# Altium PCB 400389.PcbDoc (part 6 of 8)
Units mm, origin at the board's own origin, x right, y up, seen from the top; angles counter-clockwise.
Board outline 155 x 63.5 mm, 4 copper layers (Top Layer, Mid-Layer 1, Mid-Layer 2, Bottom Layer), stack 1.54 mm thick; 437 components, 325 nets, 2173 pads, 2226 vias.
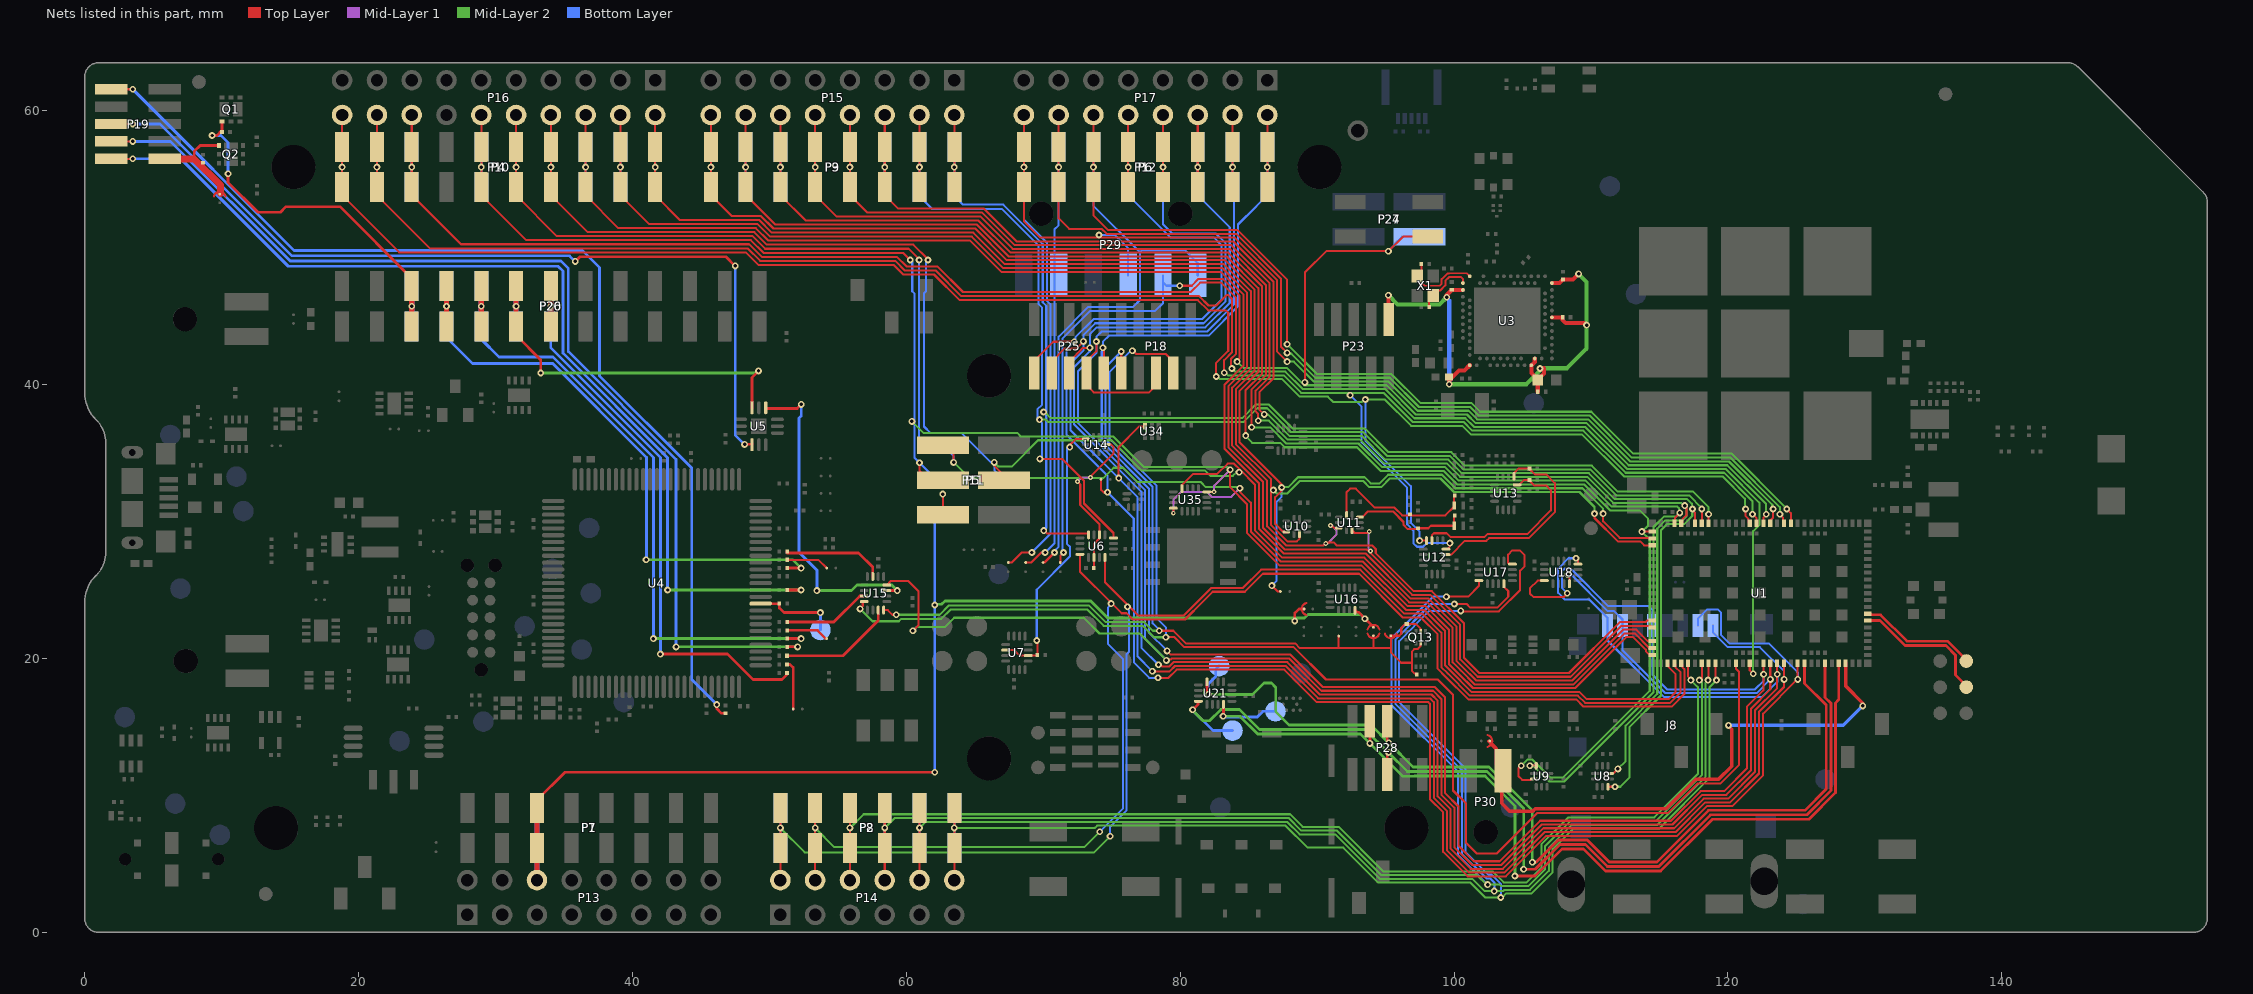
[diagram p8: the nets of this part, all layers, seen from the top]

## Via types
v1: diameter 0.5, hole 0.25, Top Layer to Bottom Layer, tented both sides, 1778 vias
v2: diameter 0.35, hole 0.15, Top Layer to Mid-Layer 1, tented both sides, 369 vias
v3: diameter 0.35, hole 0.15, Top Layer to Mid-Layer 1, tented top, 49 vias
v4: diameter 0.61, hole 0.305, Top Layer to Bottom Layer, tented both sides, 29 vias
v5: diameter 0.5, hole 0.25, Top Layer to Mid-Layer 1, tented both sides, 1 vias

## Nets (pads, with @x,y where several pads share a name; then routed paths per layer and width w, separated by ;. In a path a pad name is that pad's centre, name@x,y a point inside that pad or via, vN(x,y) a via of type N, cw(c..) or ccw(c..) an arc to the next point about the centre after c; other vN are vias at no path point) (continued)
nRF52_VDD_nRF: C23.2 C24.2 C34.2 C35.2 C36.2 P23.1 R10.2 U3.A22 U3.AD14 U3.AD23 U3.B1 U3.W1 U3.Y2 | length 42.1
  Top Layer w0.305: v1(95.2,46.525) 95.2,44.765 P23.1@95.215,44.75 ; v1(99.466,46.38) 99.466,46.552 C24.2@99.83,46.916 U3.A22@100.644,46.911 ; v1(99.644,40.03) C23.2@99.644,40.556 ; C23.2@99.767,40.433 100.363,41.029 100.762,41.029 U3.B1@101.144,41.411 ; U3.Y2@105.894,41.911 105.894,41.661 U3.W1@105.644,41.411 105.644,40.847 106.103,40.388 C34.2@106.103,40.368 ; R10.2@106.103,39.488 C34.2@106.103,40.343 C34.2@106.103,40.368 ; v1(106.274,41.173) 106.553,41.173 106.573,41.194 106.573,40.813 106.351,40.591 106.326,40.591 C34.2@106.103,40.368 ; U3.AD14@107.144,44.911 107.923,44.911 C36.2@107.927,44.915 107.927,44.711 108.15,44.488 v1@109.485,44.488 ; U3.AD23@107.144,47.411 107.691,47.411 C35.2@107.958,47.678 108.689,47.678 v1(109.093,48.082)
  Mid-Layer 2 w0.305: v1(95.2,46.525) 95.872,45.853 98.939,45.853 v1(99.466,46.38) ; v1(99.644,40.03) 105.292,40.03 105.658,40.396 105.658,40.405 v1@106.35,41.097 ; v1@106.451,41.199 108.255,41.199 109.677,42.621 v1(109.677,44.348) 109.677,47.498 v1(109.093,48.082)
  Bottom Layer w0.305: v1(99.644,40.03) 99.644,46.15
nRF52_XC1: C21.1 U3.B24 X1.1 | length 5.8
  Top Layer w0.145: C21.1@97.607,48.743 97.607,48.208 97.317,47.918 97.669,47.566 97.669,47.39 97.841,47.219 98.958,47.219 99.096,47.356 99.096,47.698 99.526,48.129 99.638,48.129 99.641,48.131 100.924,48.131 U3.B24@101.144,47.911
nRF52_XC2: C20.1 U3.A23 X1.3 | length 4.3
  Top Layer w0.145: C20.1@98.177,45.669 98.177,46.178 98.467,46.468 98.467,46.485 98.819,46.838 98.819,46.871 98.992,46.871 99.366,47.244 99.366,47.586 99.638,47.858 100.073,47.858 100.076,47.861 100.5,47.861 100.644,47.717 U3.A23@100.644,47.411
nRF91_UART1_CTRL: R45.2 U7.2 U7.10 U14.3 | length 20.5
  Top Layer w0.15: U7.10@67.247,20.609 67.872,20.609 68.272,20.209 U7.2@68.897,20.209 69.53,20.209 R45.2@69.565,20.244 69.565,21.265 v1(69.52,21.311) ; v1(71.933,35.433) 71.933,35.585 72.368,36.021 U14.3@73.101,36.021
  Bottom Layer w0.15: v1(69.52,21.311) 69.52,25.019 71.951,27.45 71.951,28.151 71.715,28.386 71.715,35.368 71.78,35.433 v1(71.933,35.433)
nRF91_UART2_CTRL: R44.2 U6.2 U6.10 U14.9 | length 11.7
  Top Layer w0.15: v2(72.492,32.918) 72.699,32.711 72.699,31.205 74.102,29.801 U6.2@74.102,29.025 74.102,28.791 74.067,28.756 74.067,28.737 73.702,28.372 U6.10@73.702,27.375 73.702,26.608 R44.2@73.691,26.619 ; v2(73.439,33.223) 73.439,33.277 75.12,34.958 75.12,35.446 74.946,35.621 U14.9@74.639,35.621
  Mid-Layer 1 w0.15: v2(72.492,32.918) 72.796,33.223 v2(73.439,33.223)
P0.00: P3.1 P9.1 P15.2 U1.95 U6.4 | length 94.7
  Top Layer w0.15: P3.1@63.5,54.416 v1(63.5,55.881) P3.1@63.5,57.346 P15.2@63.5,59.691 ; v1(70.028,29.337) 70.064,29.337 70.291,29.11 73.27,29.11 73.302,29.078 U6.4@73.302,29.025 ; U1.95@118.59,29.884 v1(118.59,30.531)
  Mid-Layer 2 w0.15: v1(70.02,37.998) 70.104,37.998 70.548,37.554 84.526,37.554 85.517,38.546 86.457,38.546 88.202,36.801 93.478,36.801 95.212,35.066 99.803,35.066 100.788,34.081 110.062,34.081 111.958,32.185 117.453,32.185 118.59,31.048 v1(118.59,30.531)
  Bottom Layer w0.15: P9.1@63.5,57.346 v1(63.5,55.881) P9.1@63.5,54.416 63.5,53.772 64.135,53.137 67.078,53.137 69.96,50.254 69.96,46.002 70.215,45.747 70.215,29.525 v1(70.028,29.337)
P0.01: P3.2 P9.2 P15.4 U1.96 U6.16 | length 97.7
  Top Layer w0.15: P3.2@60.96,53.849 P3.2@60.96,54.416 v1(60.96,55.881) P3.2@60.96,57.346 P15.4@60.96,59.691 ; v1(69.748,34.569) 71.373,34.569 72.974,32.969 72.974,31.319 75.127,29.165 U6.16@75.127,28.8 ; U1.96@118.09,29.884 v1(118.09,30.912)
  Mid-Layer 2 w0.15: v1(69.723,37.44) 70.18,37.44 70.34,37.279 84.639,37.279 85.631,38.271 86.343,38.271 88.088,36.526 93.364,36.526 95.099,34.791 99.689,34.791 100.674,33.806 109.948,33.806 111.844,31.91 117.162,31.91 118.09,30.982 v1(118.09,30.912)
  Bottom Layer w0.15: P9.2@60.96,57.346 v1(60.96,55.881) P9.2@60.96,54.416 60.96,53.746 61.87,52.837 66.953,52.837 69.66,50.13 69.66,45.878 69.915,45.622 69.915,38.53 69.57,38.185 69.57,37.522 69.915,37.177 69.915,34.569 v1(69.748,34.569)
P0.02: P3.3 P9.3 P15.6 U1.97 U8.5 | length 109.6
  Top Layer w0.15: P15.6@58.42,59.691 P3.3@58.42,57.346 v1(58.42,55.881) P3.3@58.42,54.416 58.42,53.824 59.373,52.871 65.63,52.871 68.043,50.458 83.854,50.458 86.808,47.504 86.808,40.462 85.783,39.437 85.783,38.169 v1(86.131,37.821) ; U8.5@111.242,10.63 v1(111.75,10.63) ; v1(117.413,30.912) 117.413,30.827 117.59,30.649 U1.97@117.59,29.884
  Mid-Layer 2 w0.15: v1(86.131,37.821) 86.404,37.821 87.974,36.251 93.25,36.251 94.985,34.516 99.575,34.516 100.56,33.531 109.834,33.531 111.73,31.635 117.025,31.635 117.359,31.301 117.359,30.965 v1(117.413,30.912) ; v1(111.75,10.63) 112.134,10.63 112.797,11.293 112.797,14.982 115.113,17.297 115.113,29.372 115.547,29.806 116.795,29.806 117.393,30.404 v1@117.393,30.912
  Bottom Layer w0.15: P9.3@58.42,54.416 v1(58.42,55.881) P9.3@58.42,57.346
P0.03: P3.4 P9.4 P15.8 U1.99 U8.7 | length 110.6
  Top Layer w0.15: P15.8@55.88,59.691 P3.4@55.88,57.346 v1(55.88,55.881) P3.4@55.88,54.416 55.88,53.824 57.128,52.576 65.508,52.576 67.901,50.183 83.74,50.183 86.533,47.39 86.533,40.576 85.508,39.551 85.508,38.055 85.681,37.882 85.681,37.382 v1(85.7,37.363) ; U8.7@111.411,11.599 111.6,11.599 111.638,11.637 111.662,11.637 v1(111.963,11.938) ; U1.99@116.59,29.884 116.665,29.959 116.665,30.162 116.963,30.459 116.963,31.043 v1(116.84,31.166)
  Mid-Layer 2 w0.15: v1(85.7,37.363) 86.473,37.363 87.86,35.976 93.136,35.976 94.871,34.241 99.461,34.241 100.446,33.256 109.72,33.256 111.616,31.36 116.577,31.36 v1@116.772,31.166 ; v1(111.963,11.938) 112.522,12.497 112.522,15.096 114.838,17.411 114.838,29.486 115.433,30.081 116.681,30.081 116.963,30.362 116.963,30.975 v1@116.772,31.166 ; v1(116.84,31.166) v1@116.772,31.166
  Bottom Layer w0.15: P9.4@55.88,54.416 v1(55.88,55.881) P9.4@55.88,57.346
P0.04: P3.5 P9.5 P15.10 U1.100 U9.5 | length 117.1
  Top Layer w0.15: P15.10@53.34,59.691 P3.5@53.34,57.346 v1(53.34,55.881) P3.5@53.34,54.416 53.34,53.824 54.883,52.281 65.386,52.281 67.759,49.908 83.626,49.908 86.258,47.276 86.258,40.69 85.217,39.649 v1(85.217,36.881) ; v1@105.713,12.168 U9.5@105.998,12.168 ; U1.100@116.09,29.884 116.132,29.926 116.132,30.28 v1(116.484,30.632)
  Mid-Layer 2 w0.15: v1(85.217,36.881) 86.566,36.881 87.746,35.701 93.022,35.701 94.757,33.966 99.347,33.966 100.332,32.981 109.606,32.981 111.502,31.085 116.302,31.085 116.425,30.963 116.425,30.692 v1(116.484,30.632) 116.208,30.356 115.319,30.356 114.563,29.6 114.563,17.525 108.061,11.023 106.928,11.023 105.847,12.104 105.599,12.104 v1(105.537,12.167)
  Bottom Layer w0.15: P9.5@53.34,54.416 v1(53.34,55.881) P9.5@53.34,57.346
P0.05: P3.6 P9.6 P15.12 U1.2 U9.7 | length 118.7
  Top Layer w0.15: P15.12@50.8,59.691 P3.6@50.8,57.346 v1(50.8,55.881) P3.6@50.8,54.416 50.8,53.824 52.638,51.986 65.264,51.986 67.617,49.633 83.512,49.633 85.983,47.162 85.983,40.804 84.767,39.588 84.767,36.289 v1(84.785,36.271) ; v1(104.902,12.167) 104.703,11.967 104.703,11.404 104.978,11.129 105.569,11.129 105.639,11.199 U9.7@105.829,11.199 ; v1@113.716,29.264 U1.2@114.47,29.264
  Mid-Layer 2 w0.15: v1(84.785,36.271) 84.785,36.22 85.261,35.745 87.313,35.745 87.632,35.426 92.908,35.426 94.643,33.691 99.233,33.691 100.218,32.706 109.492,32.706 111.388,30.81 113.57,30.81 114.166,30.214 114.166,29.711 v1(113.716,29.261) 114.288,28.689 114.288,17.639 107.947,11.298 107.042,11.298 105.723,12.617 105.351,12.617 v1(104.902,12.167) v1(104.902,12.167)
  Bottom Layer w0.15: P9.6@50.8,54.416 v1(50.8,55.881) P9.6@50.8,57.346
P0.06: P3.7 P9.7 P15.14 SB20.2 U1.3 U10.5 | length 108
  Top Layer w0.15: P15.14@48.26,59.691 P3.7@48.26,54.416 48.26,53.849 50.418,51.691 65.141,51.691 67.474,49.358 83.398,49.358 85.708,47.048 85.708,40.918 84.335,39.545 84.335,35.772 87.401,32.705 v1(87.401,32.487) 87.401,32.255 86.93,31.784 86.93,29.834 87.508,29.256 U10.5@87.546,29.256 ; v1(86.69,25.324) 87.122,24.892 SB20.2@87.3,24.892 ; U10.5@87.75,29.242 87.736,29.256 U10.5@87.546,29.256 ; U10.5@87.78,29.207 87.595,29.207 U10.5@87.546,29.256 ; v1(110.882,30.582) 110.882,30.018 112.095,28.805 114.43,28.805 U1.3@114.47,28.764
  Mid-Layer 2 w0.15: v1@87.551,32.509 87.878,32.509 88.601,33.232 93.468,33.232 93.91,32.79 94.556,32.79 95.182,33.416 99.12,33.416 100.104,32.431 109.378,32.431 110.882,30.928 v1(110.882,30.582)
  Bottom Layer w0.15: P9.7@48.26,54.416 v1(48.26,55.881) P9.7@48.26,57.346 ; v1(86.69,25.324) 87.046,25.679 87.046,31.445 87.401,31.801 v1(87.401,32.487)
P0.07: P3.8 P9.8 P15.16 U1.4 U10.7 | length 104.3
  Top Layer w0.15: P15.16@45.72,59.691 P3.8@45.72,57.346 v1(45.72,55.881) P3.8@45.72,54.416 45.72,53.849 47.255,52.314 49.378,52.314 50.296,51.396 65.019,51.396 67.332,49.083 83.284,49.083 85.433,46.935 85.433,41.032 84.06,39.659 84.06,35.658 86.635,33.082 86.635,29.74 87.828,28.547 88.519,28.547 88.719,28.747 U10.7@88.719,29.073 ; v1(110.255,30.578) 110.255,30.257 111.981,28.53 113.62,28.53 113.886,28.264 U1.4@114.47,28.264
  Mid-Layer 2 w0.15: v1(86.804,32.296) 86.808,32.296 87.067,32.037 87.794,32.037 88.715,32.957 93.354,32.957 93.796,32.515 94.67,32.515 95.296,33.141 99.006,33.141 99.99,32.156 109.161,32.156 110.255,31.063 v1(110.255,30.578)
  Bottom Layer w0.15: P9.8@45.72,54.416 v1(45.72,55.881) P9.8@45.72,57.346
P0.08: P4.1 P10.1 P16.2 U1.15 U11.5 | length 112.6
  Top Layer w0.15: P16.2@41.656,59.691 P4.1@41.656,57.346 P4.1@41.656,54.416 41.656,53.824 43.46,52.019 49.255,52.019 50.174,51.101 64.897,51.101 67.199,48.799 83.179,48.799 85.158,46.821 85.158,41.146 83.785,39.773 83.785,35.544 86.34,32.989 86.34,29.646 87.734,28.252 90.457,28.252 90.678,28.473 91.211,28.473 91.432,28.252 94.02,28.252 94.279,27.994 94.279,27.697 97.058,24.917 98.374,24.917 100.72,22.571 100.72,20.052 101.834,18.939 108.391,18.939 112.109,22.657 113.983,22.657 114.09,22.764 U1.15@114.47,22.764 ; v2(90.983,29.718) 91.059,29.718 91.256,29.521 U11.5@91.585,29.521
  Mid-Layer 1 w0.15: v2(90.627,28.397) 90.761,28.397 91.408,29.044 91.408,29.376 91.066,29.718 v2(90.983,29.718)
  Bottom Layer w0.15: P10.1@41.656,54.416 v1(41.656,55.881) P10.1@41.656,57.346
P0.09: P4.2 P10.2 P16.4 U1.16 U11.7 | length 115.2
  Top Layer w0.15: P16.4@39.116,59.691 P4.2@39.116,57.346 P4.2@39.116,54.416 39.116,53.824 41.215,51.724 49.133,51.724 50.051,50.806 64.775,50.806 67.077,48.504 83.085,48.504 84.883,46.707 84.883,41.259 83.51,39.887 83.51,35.43 86.045,32.895 86.045,29.552 87.64,27.957 93.629,27.957 93.826,27.761 96.944,24.642 98.26,24.642 100.445,22.457 100.445,19.938 101.72,18.664 108.505,18.664 112.223,22.382 114.353,22.382 U1.16@114.47,22.264 ; U11.7@92.554,29.352 92.76,29.146 93.688,29.146 v2(93.802,29.261)
  Mid-Layer 1 w0.15: v2(93.802,29.261) 93.764,29.223 93.764,27.877 93.802,27.838 v2(93.904,27.838)
  Bottom Layer w0.15: P10.2@39.116,54.416 v1(39.116,55.881) P10.2@39.116,57.346
P0.10: P4.3 P10.3 P16.6 U1.18 | length 115.2
  Top Layer w0.15: P16.6@36.576,59.691 P4.3@36.576,57.346 v1(36.576,55.881) P4.3@36.576,54.416 36.576,53.824 38.97,51.429 49.011,51.429 49.929,50.511 64.653,50.511 66.954,48.209 82.991,48.209 84.608,46.593 84.608,41.373 83.235,40.001 83.235,35.316 85.75,32.801 85.75,29.458 87.546,27.662 93.535,27.662 96.83,24.367 98.146,24.367 100.17,22.343 100.17,19.824 100.587,19.408 101.606,18.389 108.619,18.389 112.337,22.107 113.309,22.107 114.151,21.264 U1.18@114.47,21.264
  Bottom Layer w0.15: P10.3@36.576,54.416 v1(36.576,55.881) P10.3@36.576,57.346
P0.11: P4.4 P5.4 P10.4 P11.4 P16.8 U1.19 U35.4 | length 127.9
  Top Layer w0.15: P16.8@34.036,59.691 P4.4@34.036,57.346 v1(34.036,55.881) P4.4@34.036,54.416 34.036,53.824 36.725,51.134 48.889,51.134 49.807,50.216 60.517,50.216 61.582,49.15 v1(61.582,49.098) ; v1(66.421,34.315) 66.421,34.062 67.12,33.364 P5.4@67.12,33.021 ; U35.4@80.121,32.475 80.121,32.651 80.947,33.477 81.201,33.477 82.701,33.477 83.456,34.232 83.93,34.232 84.428,33.734 85.455,32.707 85.455,29.365 87.453,27.367 93.441,27.367 96.716,24.092 98.032,24.092 99.895,22.229 99.895,19.71 100.473,19.133 101.492,18.114 108.733,18.114 112.451,21.832 113.195,21.832 114.262,20.764 U1.19@114.47,20.764
  Mid-Layer 2 w0.15: v1(66.421,34.315) 66.726,34.011 67.691,34.011 69.614,35.933 74.988,35.933 77.2,33.722 81.823,33.722 82.213,33.332 83.846,33.332 84.118,33.604 v1(84.298,33.604)
  Bottom Layer w0.15: P10.4@34.036,54.416 v1(34.036,55.881) P10.4@34.036,57.346 ; v1(61.582,49.098) 61.434,48.95 61.434,46.808 61.285,46.66 61.285,36.936 61.773,36.449 64.034,36.449 66.168,34.315 v1(66.421,34.315) 66.421,33.731 67.131,33.021 P11.4@67.722,33.021
P0.12: P4.5 P5.1 P10.5 P11.1 P16.10 U1.20 U35.8 | length 129.1
  Top Layer w0.15: P16.10@31.496,59.691 P4.5@31.496,57.346 v1(31.496,55.881) P4.5@31.496,54.416 31.496,53.824 34.48,50.839 48.767,50.839 49.685,49.921 60.162,49.921 60.932,49.15 v1(60.932,49.098) ; P5.1@62.675,35.561 63.449,35.561 v1(63.449,34.315) ; v2(79.496,30.607) U35.8@79.496,30.972 ; v1(84.357,32.428) 84.357,32.18 85.16,31.377 85.16,29.271 87.359,27.072 93.347,27.072 96.602,23.817 97.919,23.817 99.62,22.115 99.62,19.596 100.359,18.858 101.378,17.839 108.847,17.839 111.95,20.942 112.565,21.557 113.081,21.557 114,20.637 114,20.518 114.254,20.264 U1.20@114.47,20.264
  Mid-Layer 1 w0.15: v2(79.496,30.607) 79.496,31.586 80.075,32.165 81.948,32.165 82.242,31.871 82.316,31.797 82.398,31.797 83.726,31.797 v1(84.357,32.428)
  Mid-Layer 2 w0.15: v1(63.449,34.315) 64.579,33.186 74.403,33.186 75.146,33.928 75.827,33.928 76.858,32.897 81.481,32.897 81.871,32.507 84.278,32.507 v1(84.357,32.428)
  Bottom Layer w0.15: P10.5@31.496,54.416 v1(31.496,55.881) P10.5@31.496,57.346 ; v1(60.932,49.098) 60.932,36.07 61.442,35.561 P11.1@62.072,35.561 62.661,35.561 63.449,34.773 v1(63.449,34.315)
P0.13/AIN0: P4.6 P5.3 P10.6 P11.3 P16.12 U1.23 U35.16 | length 134.1
  Top Layer w0.15: P16.12@28.956,59.691 P4.6@28.956,57.346 v1(28.956,55.881) P4.6@28.956,54.416 28.956,53.824 32.235,50.544 48.644,50.544 49.563,49.626 59.754,49.626 v1(60.282,49.098) ; v1(60.96,34.291) 60.96,33.706 61.645,33.021 P5.3@62.675,33.021 ; U35.16@81.946,32.172 v2(82.471,32.172) ; v1(83.642,33.782) 83.642,32.506 84.865,31.283 84.865,29.177 87.265,26.777 93.253,26.777 96.488,23.542 97.805,23.542 99.345,22.002 99.345,19.482 99.711,19.117 101.264,17.564 109.153,17.564 109.682,17.035 115.665,17.035 116.18,17.55 116.18,18.852 115.665,19.366 115.665,19.569 U1.23@115.59,19.644
  Mid-Layer 1 w0.15: v2(82.471,32.172) 82.471,32.611 v1(83.642,33.782)
  Mid-Layer 2 w0.15: v1(60.405,37.316) 61.27,36.452 68.12,36.452 68.363,36.208 75.102,36.208 77.314,33.997 83.427,33.997 v1(83.642,33.782)
  Bottom Layer w0.15: P10.6@28.956,54.416 v1(28.956,55.881) P10.6@28.956,57.346 ; v1@60.431,48.95 60.431,46.808 60.579,46.66 60.579,34.672 v1(60.96,34.291) 62.072,33.179 P11.3@62.072,33.021
P0.14/AIN1: P2.1 P8.1 P14.2 U1.24 U6.12 | length 105.8
  Top Layer w0.15: P14.2@50.8,3.811 P2.1@50.8,6.156 v1(50.8,7.621) P2.1@50.8,9.086 ; U6.12@74.502,27.375 74.502,25.563 76.22,23.845 76.928,23.138 80.253,23.138 82.261,25.146 84.577,25.146 85.913,26.482 93.16,26.482 96.375,23.267 97.691,23.267 99.07,21.888 99.07,19.369 99.529,18.91 101.15,17.289 109.039,17.289 109.568,16.76 115.779,16.76 116.54,17.521 116.54,18.992 116.165,19.366 116.165,19.569 U1.24@116.09,19.644
  Mid-Layer 2 w0.15: v1(50.8,7.621) 52.578,5.843 73.712,5.843 v1(74.879,7.01)
  Bottom Layer w0.15: P8.1@50.8,6.156 v1(50.8,7.621) P8.1@50.8,9.678 ; v1(74.879,7.01) 74.879,7.714 76.087,8.921 76.087,20.316 76.244,20.472 76.244,23.512 76.216,23.539 76.216,23.707 v1(76.149,23.774)
P0.15/AIN2: P2.2 P8.2 P14.4 U1.25 U6.8 | length 104.4
  Top Layer w0.15: P14.4@53.34,3.811 P2.2@53.34,9.086 ; U6.8@72.677,27.6 72.677,26.346 74.988,24.035 75.721,23.302 76.086,23.302 76.545,22.843 80.348,22.843 81.694,24.188 81.694,24.189 82.375,24.871 84.719,24.871 86.036,26.187 93.066,26.187 96.261,22.992 97.577,22.992 98.795,21.774 98.795,19.255 99.411,18.639 101.037,17.014 108.925,17.014 109.454,16.485 115.893,16.485 116.815,17.407 116.815,19.217 116.665,19.366 116.665,19.569 U1.25@116.59,19.644
  Mid-Layer 2 w0.15: v1(53.34,7.621) 54.737,6.224 73.001,6.224 v1(74.117,7.341)
  Bottom Layer w0.15: P8.2@53.34,6.156 P8.2@53.34,9.086 ; v1(74.117,7.341) 75.812,9.035 75.812,19.972 74.734,21.049 74.734,23.731 75.006,24.003 v1(74.955,24.003)
P0.16/AIN3: P2.3 P8.3 P14.6 U1.26 | length 85.3
  Top Layer w0.15: P14.6@55.88,3.811 P2.3@55.88,6.156 v1(55.88,7.621) P2.3@55.88,9.086 ; U1.26@117.09,19.644 117.09,18.678 117.29,18.478 v1(117.29,18.415)
  Mid-Layer 2 w0.15: v1(55.88,7.621) 56.88,8.621 88.026,8.621 88.947,7.699 91.562,7.699 94.809,4.452 102.805,4.452 103.612,3.645 105.303,3.645 106.375,4.717 106.375,6.417 108.358,8.4 114.625,8.4 117.815,11.59 117.815,17.89 117.74,17.965 117.729,17.965 117.29,18.404 v1(117.29,18.415)
  Bottom Layer w0.15: P8.3@55.88,6.156 v1(55.88,7.621) P8.3@55.88,9.086
P0.17/AIN4: P2.4 P8.4 P14.8 U1.28 U17.16 | length 112.7
  Top Layer w0.15: P14.8@58.42,3.811 P2.4@58.42,6.156 v1(58.42,7.621) P2.4@58.42,9.086 ; v1(99.441,24.511) 101.026,24.511 101.808,25.293 U17.16@101.808,25.685 ; v1(117.915,18.415) 118.09,18.59 U1.28@118.09,19.644
  Mid-Layer 2 w0.15: v1(58.42,7.621) 59.145,8.346 87.912,8.346 88.833,7.424 91.448,7.424 94.695,4.177 101.674,4.177 102.371,3.48 v1(102.445,3.48) 103.327,3.48 103.437,3.37 105.417,3.37 106.65,4.603 106.65,6.303 108.472,8.125 114.739,8.125 118.09,11.476 118.09,18.24 v1(117.915,18.415)
  Bottom Layer w0.15: P8.4@58.42,6.156 v1(58.42,7.621) P8.4@58.42,9.653 ; v1(99.441,24.511) 98.46,24.511 95.432,21.483 95.432,16.588 100.298,11.722 100.298,5.627 v1(102.445,3.48)
P0.18/AIN5: P2.5 P8.5 P14.10 U1.29 U17.4 | length 113.6
  Top Layer w0.15: P14.10@60.96,3.811 P2.5@60.96,6.156 v1(60.96,7.621) P2.5@60.96,9.086 ; v1(100.025,23.978) 100.914,23.978 101.178,23.714 103.15,23.714 103.955,24.519 103.955,24.926 103.633,25.248 U17.4@103.633,25.46 ; v1(118.54,18.415) 118.59,18.465 U1.29@118.59,19.644
  Mid-Layer 2 w0.15: v1(60.96,7.621) 61.41,8.071 87.798,8.071 88.72,7.149 91.334,7.149 94.581,3.902 101.33,3.902 102.227,3.005 102.928,3.005 102.933,3.01 103.588,3.01 103.673,3.095 105.531,3.095 106.925,4.489 106.925,6.189 108.586,7.85 114.853,7.85 118.365,11.362 118.365,18.24 v1(118.54,18.415)
  Bottom Layer w0.15: P8.5@60.96,6.156 v1(60.96,7.621) P8.5@60.96,9.653 ; v1(100.025,23.978) 98.315,23.978 95.707,21.369 95.707,16.702 100.573,11.836 100.573,5.741 102.384,3.93 102.631,3.93 102.953,3.608 v1@102.953,3.086
  other v1: 102.928,3.01
P0.19/AIN6: P2.6 P8.6 P14.12 U1.30 U17.8 | length 115.8
  Top Layer w0.15: P14.12@63.5,3.811 P2.6@63.5,6.156 v1(63.5,7.621) P2.6@63.5,9.086 ; v1(100.482,23.47) 100.513,23.439 103.264,23.439 104.825,25 104.825,26.41 105.149,26.734 105.149,27.542 104.802,27.889 104.259,27.889 103.943,27.574 103.943,26.982 104.04,26.885 U17.8@104.258,26.885 ; 119.09,18.678 U1.30@119.09,19.644
  Mid-Layer 2 w0.15: v1(63.5,7.621) 73.761,7.621 73.931,7.791 87.689,7.791 89.301,6.179 91.915,6.179 94.467,3.627 101.198,3.627 102.286,2.54 v1(103.412,2.54) ; v1@103.545,2.578 103.787,2.82 105.645,2.82 107.2,4.375 107.2,6.075 108.7,7.575 114.967,7.575 118.64,11.249 118.64,17.89 118.715,17.965 118.727,17.965 119.165,18.404 v1(119.165,18.415)
  Bottom Layer w0.15: P8.6@63.5,6.156 v1(63.5,7.621) P8.6@63.5,9.086 ; v1(100.482,23.47) 98.196,23.47 95.982,21.255 95.982,16.816 100.848,11.95 100.848,5.855 102.498,4.205 102.745,4.205 103.438,3.513 v1@103.438,2.616
P0.20/AIN7: P4.8 P10.8 P16.16 U1.35 | length 134.6
  Top Layer w0.15: P16.16@23.876,59.691 P4.8@23.876,57.346 v1(23.876,55.881) P4.8@23.876,54.416 23.876,53.849 27.476,50.249 48.522,50.249 49.44,49.331 59.305,49.331 60.008,48.628 62.264,48.628 64.133,46.76 80.771,46.76 81.451,47.44 82.983,47.44 84.058,46.365 84.058,42.225 83.7,41.868 83.7,41.436 83.702,41.434 83.702,41.24 v1(83.769,41.173) ; U1.35@121.59,19.644 121.59,19.136 v1(121.844,18.882)
  Mid-Layer 2 w0.15: v1@83.795,41.148 83.997,40.945 87.673,40.945 88.943,39.675 94.962,39.675 97.096,37.541 100.828,37.541 101.454,36.916 109.561,36.916 112.641,33.835 119.837,33.835 122.294,31.379 122.294,29.744 121.844,29.295 v1(121.844,18.882)
  Bottom Layer w0.15: P10.8@23.876,53.849 v1(23.876,55.881) P10.8@23.876,57.346
P0.21: J8.5 P6.1 P12.1 P17.2 P25.12 U1.37 U18.16 | length 148.7
  Top Layer w0.15: v1(74.348,42.695) 74.422,42.621 P25.12@74.422,41.123 ; v1(79.045,20.549) 79.316,20.277 88.054,20.277 90.417,17.915 98.58,17.915 99.343,17.151 99.343,10.163 100.319,9.186 100.319,6.316 101.446,5.189 103.327,5.189 106.286,8.148 115.838,8.148 118.001,10.31 119.732,10.31 121.385,11.963 121.385,16.462 122.59,17.667 U1.37@122.59,19.644 ; P6.1@86.36,54.416 v1(86.36,55.881) P6.1@86.36,57.346 P17.2@86.36,59.691 ; U18.16@106.592,25.685 106.108,25.685 105.54,25.118 105.54,24.745 105.804,24.481 107.991,24.481 v1(108.268,24.758)
  Bottom Layer w0.15: v1@74.281,42.732 74.281,42.444 74.27,42.432 74.27,35.849 77.708,32.41 77.708,21.885 v1(79.045,20.549) ; v1@74.348,42.799 74.348,43.132 74.797,43.58 82.087,43.58 84.217,45.71 84.217,51.69 84.842,52.315 84.853,52.315 86.36,53.823 P12.1@86.36,54.416 v1(86.36,55.881) P12.1@86.36,57.346 ; v1(108.268,24.758) 107.872,25.154 107.872,26.365 108.073,26.566 108.511,26.566 111.233,23.843 114.176,23.843 114.5,23.519 J8.5@114.5,22.42 114.5,18.79 115.551,17.739 121.975,17.739 122.6,18.364 v1(122.6,18.85)
P0.22: J8.7 P6.2 P12.2 P17.4 P18.6 P25.14 U1.38 U15.12 U18.4 | length 177.2
  Top Layer w0.15: U15.12@58.571,25.357 58.869,25.655 60.146,25.655 60.884,24.917 60.884,22.428 v1(60.477,22.022) ; v1(73.873,43.144) 73.873,42.428 73.152,41.707 P25.14@73.152,40.85 73.152,39.954 73.676,39.43 77.733,39.43 78.232,39.929 P18.6@78.232,40.85 ; v1(78.994,19.863) 79.05,19.919 79.31,19.919 79.393,20.002 87.941,20.002 90.303,17.64 98.466,17.64 99.068,17.038 99.068,10.049 100.021,9.096 100.021,6.225 101.332,4.914 103.441,4.914 106.4,7.873 115.952,7.873 118.115,10.035 119.875,10.035 121.68,11.841 121.68,16.34 123.09,17.75 U1.38@123.09,19.644 ; P6.2@83.82,54.662 v1(83.82,55.881) P6.2@83.82,57.346 P17.4@83.82,59.691 ; v1(108.324,26.116) 108.417,26.023 U18.4@108.417,25.46
  Mid-Layer 2 w0.15: v1(60.477,22.022) 60.746,22.29 62.803,22.29 63.486,22.973 72.96,22.973 74.107,21.826 77.031,21.826 v1(78.994,19.863)
  Bottom Layer w0.15: v1(78.994,19.863) 77.433,21.424 77.433,32.297 72.529,37.2 72.529,40.957 73.873,42.301 v1(73.873,43.144) 73.873,43.495 74.259,43.88 81.962,43.88 83.917,45.835 83.917,54.539 83.82,54.635 v1(83.82,55.881) P12.2@83.82,57.346 ; v1(108.324,26.116) 108.572,26.116 111.228,23.46 111.683,23.46 112.3,22.843 J8.7@112.3,22.42 112.3,20.601 115.437,17.464 122.089,17.464 v1(123.1,18.475)
P0.23: J8.8 P6.3 P12.3 P17.6 P25.16 U1.39 U18.8 | length 150.8
  Top Layer w0.15: P25.16@71.882,40.85 71.882,41.666 72.9,42.685 73.393,42.685 v1(73.398,42.69) ; v1(78.415,19.538) 78.482,19.471 78.624,19.471 78.682,19.413 79.193,19.413 79.507,19.727 87.827,19.727 90.189,17.365 98.352,17.365 98.793,16.924 98.793,9.935 99.746,8.982 99.746,6.111 101.218,4.639 103.555,4.639 106.514,7.598 116.066,7.598 118.229,9.76 120.017,9.76 121.975,11.719 121.975,16.218 123.59,17.833 U1.39@123.59,19.644 ; P6.3@81.28,54.416 v1(81.28,55.881) P6.3@81.28,57.346 P17.6@81.28,59.691 ; U18.8@109.042,26.885 v1@109.042,27.153
  Bottom Layer w0.15: v1(78.415,19.538) 77.158,20.795 77.158,32.183 72.254,37.086 72.254,41.286 73.398,42.431 v1(73.398,42.69) 73.398,43.664 73.915,44.18 81.838,44.18 83.617,45.959 83.617,51.486 81.28,53.823 P12.3@81.28,54.416 P12.3@81.28,57.346 ; v1(108.905,27.318) 108.35,27.318 107.597,26.565 107.597,24.793 108.088,24.302 109.86,24.302 111.2,22.962 J8.8@111.2,22.42 111.2,21.312 115.323,17.189 122.501,17.189 123.6,18.288 v1(123.6,18.85)
P0.24: J8.1 P6.4 P12.4 P17.8 P25.18 U1.40 U34.3 | length 143.7
  Top Layer w0.15: P25.18@70.612,40.85 70.612,41.681 71.577,42.647 72.445,42.647 72.923,43.125 v1(72.923,43.155) ; v1@75.489,32.995 75.489,35.427 77.013,36.951 U34.3@77.427,36.951 ; v1(77.966,19.063) 79.232,19.063 79.621,19.452 87.713,19.452 90.075,17.09 98.238,17.09 98.518,16.81 98.518,9.821 99.471,8.868 99.471,5.997 101.104,4.364 103.669,4.364 106.628,7.323 116.18,7.323 118.342,9.485 120.159,9.485 122.27,11.597 122.27,16.095 124.09,17.915 U1.40@124.09,19.644 ; P6.4@78.74,54.416 P17.8@78.74,59.691
  Bottom Layer w0.15: v1(77.966,19.063) 76.883,20.146 76.883,31.777 71.979,36.681 71.979,41.537 72.923,42.481 v1(72.923,43.155) 72.923,43.613 73.791,44.48 81.714,44.48 83.317,46.083 83.317,50.309 82.577,51.049 79.398,51.049 78.74,51.707 P12.4@78.74,54.416 v1(78.74,55.881) P12.4@78.74,57.346 ; J8.1@118.9,22.42 118.9,21.918 119.994,20.824 122.331,20.824 124.1,19.054 v1(124.1,18.475)
  other v1: 75.514,33.172
P0.25: J8.2 P6.5 P12.5 P17.10 P25.20 SB23.1 U1.42 | length 146.8
  Top Layer w0.15: P25.20@69.342,40.85 69.342,41.732 70.739,43.129 v1(72.263,43.129) ; SB23.1@74.21,33.076 74.21,32.339 74.409,32.139 v1(74.688,32.139) ; P6.5@76.2,54.713 v1(76.2,55.881) P6.5@76.2,57.346 P17.10@76.2,59.691 ; v1(78.375,18.588) 79.146,18.588 79.735,19.177 87.599,19.177 89.961,16.815 98.046,16.815 ; 98.046,16.813 98.126,16.813 98.243,16.696 98.243,9.707 99.196,8.754 99.196,5.884 100.99,4.089 103.783,4.089 106.742,7.048 116.294,7.048 118.456,9.21 120.301,9.21 122.565,11.475 122.565,15.973 125.067,18.475 v1@125.09,18.475 ; U1.42@125.09,19.644 v1@125.09,18.475 ; v1(125.1,18.475) v1@125.09,18.475
  Bottom Layer w0.15: P12.5@76.2,57.346 v1(76.2,55.881) P12.5@76.2,54.416 76.2,53.823 79.273,50.749 82.453,50.749 83.017,50.185 83.017,46.207 81.59,44.78 73.667,44.78 72.339,43.453 72.339,43.205 v1(72.263,43.129) 71.704,42.57 71.704,36.322 74.688,33.338 v1(74.688,32.139) 76.604,30.224 76.604,28.046 76.608,28.042 76.608,19.709 77.729,18.588 v1(78.375,18.588) ; J8.2@117.8,22.42 117.8,22.906 118.466,23.571 119.284,23.571 119.507,23.348 119.507,21.7 120.108,21.099 122.988,21.099 125.05,19.036 125.05,19.019 125.1,18.969 v1(125.1,18.475)
P0.26: P6.6 P12.6 P17.12 P29.6 SB11.1 U1.83 | length 113.6
  Top Layer w0.15: SB11.1@69.977,27.008 70.086,27.008 v1(70.815,27.737) ; P17.12@73.66,59.691 P6.6@73.66,57.346 73.66,52.359 74.736,51.283 84.196,51.283 87.808,47.671 v1(87.808,42.951) ; v1(124.294,30.912) 124.59,30.615 U1.83@124.59,29.884
  Mid-Layer 2 w0.15: v1(87.808,42.951) 89.985,40.775 95.417,40.775 97.552,38.641 101.284,38.641 101.909,38.016 110.017,38.016 113.056,34.976 120.262,34.976 124.294,30.944 v1(124.294,30.912)
  Bottom Layer w0.15: v1(70.815,27.737) 70.815,27.863 71.115,28.163 71.115,43.502 73.294,45.68 76.567,45.68 77.064,46.177 77.064,49.51 77.06,49.513 77.06,49.664 ; P12.6@73.66,53.848 P12.6@73.66,54.416 ; P12.6@73.66,57.346 v1(73.66,55.881) P12.6@73.66,54.416 ; P29.6@81.28,47.981 81.28,48.87 80.354,49.796 77.192,49.796 77.06,49.664 ; P12.6@73.66,54.416 73.66,53.064 77.06,49.664
P0.27: P6.7 P12.7 P17.14 P29.2 SB12.1 U1.84 | length 104.9
  Top Layer w0.15: SB12.1@68.707,27.008 69.121,27.008 69.85,27.737 v1(70.129,27.737) ; P17.14@71.12,59.691 P6.7@71.12,57.346 P6.7@71.12,54.416 71.12,52.146 71.889,51.377 74.253,51.377 74.622,51.008 84.082,51.008 87.358,47.732 87.358,42.765 v1(87.808,42.316) v1(87.808,42.316) ; v1(123.794,30.531) 123.794,30.51 124.036,30.268 124.036,29.938 U1.84@124.09,29.884
  Mid-Layer 2 w0.15: v1(87.808,42.316) 87.87,42.254 88.117,42.254 89.871,40.5 95.304,40.5 97.438,38.366 101.17,38.366 101.795,37.741 109.903,37.741 112.983,34.66 120.189,34.66 123.794,31.055 v1(123.794,30.531)
  Bottom Layer w0.15: v1(70.129,27.737) 70.815,28.423 70.815,51.334 71.12,51.638 v1(71.12,55.881) P12.7@71.12,57.346
P0.28: P6.8 P12.8 P17.16 P29.4 SB13.1 U1.86 | length 112.9
  Top Layer w0.15: SB13.1@67.437,27.008 67.699,27.008 68.428,27.737 v1(69.164,27.737) ; P17.16@68.58,59.691 v1(68.58,55.881) P6.8@68.58,54.416 68.58,51.943 69.79,50.733 83.968,50.733 87.083,47.618 87.083,42.405 v1(87.808,41.681) v1(87.808,41.681) ; U1.86@123.09,29.884 123.09,30.094 123.294,30.297 v1(123.294,30.912)
  Mid-Layer 2 w0.15: v1(87.808,41.681) 88.301,41.681 89.757,40.225 95.19,40.225 97.324,38.091 101.056,38.091 101.681,37.466 109.789,37.466 112.869,34.385 120.075,34.385 123.235,31.225 123.235,30.97 v1(123.294,30.912)
  Bottom Layer w0.15: P12.8@68.58,54.416 68.58,52.059 70.26,50.379 70.26,46.126 70.515,45.871 70.515,29.088 v1(69.164,27.737) ; P12.8@68.58,54.484 v1(68.58,55.881) P12.8@68.58,57.346 ; v1(74.066,50.927) 75.226,50.927 76.2,49.953 P29.4@76.2,47.981
P0.29: P24.4 P27.3 P29.5 SB14.1 U1.87 | length 103.5
  Top Layer w0.15: SB14.1@71.247,27.008 71.247,27.508 v1(71.476,27.737) ; v1(79.959,47.219) 80.84,47.219 81.337,47.715 83.097,47.715 84.333,46.479 84.333,41.944 84.15,41.762 v1(84.15,41.681) ; v1(89.103,40.157) 89.103,48.187 90.686,49.769 95.163,49.769 v1(95.199,49.733) 96.267,50.801 P24.4@98.075,50.801 ; U1.87@122.59,29.884 122.59,30.277 122.794,30.48 v1(122.794,30.531)
  Mid-Layer 2 w0.15: v1(84.15,41.681) 84.611,41.22 87.786,41.22 89.056,39.95 95.076,39.95 97.21,37.816 100.942,37.816 101.567,37.191 109.675,37.191 112.755,34.11 119.961,34.11 122.794,31.278 v1(122.794,30.531)
  Bottom Layer w0.15: v1(71.476,27.737) 71.415,27.797 71.415,43.378 73.418,45.38 78.172,45.38 78.74,45.949 P29.5@78.74,47.473 ; P29.5@78.74,47.981 P29.5@78.74,47.473 ; v1(79.959,47.219) 78.994,47.219 P29.5@78.74,47.473 ; v1(95.199,49.733) 95.643,50.177 95.643,50.241 96.203,50.801 P27.3@97.473,50.801
P0.30: P4.9 P10.9 P16.18 U1.88 U12.4 | length 140.9
  Top Layer w0.15: P16.18@21.336,59.691 P4.9@21.336,57.346 v1(21.336,55.881) P4.9@21.336,54.416 21.336,53.824 25.205,49.954 48.4,49.954 49.318,49.036 59.183,49.036 59.885,48.333 62.142,48.333 64.01,46.465 81.381,46.465 82.067,45.779 82.634,45.779 83.382,46.527 83.507,46.527 83.783,46.251 83.783,42.355 83.21,41.783 v1(83.21,40.869) ; U12.4@99.402,27.981 99.508,27.981 99.695,28.169 v1(99.695,28.423) ; v1@121.865,30.459 122.09,30.234 U1.88@122.09,29.884
  Mid-Layer 2 w0.15: v1(83.21,40.869) 83.275,40.869 83.473,40.67 87.559,40.67 88.829,39.4 94.848,39.4 96.982,37.266 100.714,37.266 101.34,36.641 109.447,36.641 112.527,33.56 119.723,33.56 121.794,31.49 v1(121.794,30.531)
  Bottom Layer w0.15: P10.9@21.336,54.416 v1(21.336,55.881) P10.9@21.336,57.346 ; v1(92.405,39.218) 93.248,38.375 93.248,35.784 96.571,32.461 96.571,29.786 97.029,29.328 97.029,28.42 97.293,28.156 97.727,28.156 97.993,28.423 v1(99.695,28.423)
P0.31: P4.10 P10.10 P16.20 U1.89 U12.8 | length 138.9
  Top Layer w0.15: P16.20@18.796,59.691 P4.10@18.796,57.346 v1(18.796,55.881) P4.10@18.796,54.416 18.796,53.824 22.96,49.659 48.278,49.659 49.196,48.741 59.06,48.741 59.763,48.038 62.02,48.038 63.888,46.17 81.287,46.17 82.042,45.415 83.337,45.415 83.508,45.245 83.508,42.469 82.626,41.588 v1(82.626,40.589) ; v1(97.479,28.606) U12.8@97.977,28.606 ; v1(121.294,30.912) 121.294,30.394 121.515,30.173 121.515,29.959 U1.89@121.59,29.884
  Mid-Layer 2 w0.15: v1(82.626,40.589) 82.695,40.589 82.889,40.395 87.445,40.395 88.715,39.125 90.772,39.125 91.171,38.726 93.26,38.726 93.447,38.913 v1(93.523,38.913) 94.947,38.913 96.868,36.991 100.6,36.991 101.226,36.366 109.333,36.366 112.413,33.285 119.609,33.285 121.231,31.663 121.231,30.974 v1(121.294,30.912)
  Bottom Layer w0.15: P10.10@18.796,54.416 v1(18.796,55.881) P10.10@18.796,57.346 ; v1(93.523,38.913) 93.523,38.874 93.523,35.898 96.846,32.575 96.846,29.9 97.479,29.267 v1(97.479,28.606)
RESET: P18.10 Q13.2 Q13.5 R107.1 R108.1 SB15.2 SB17.2 SB18.2 U15.8 | length 73.7
  Top Layer w0.15: U15.8@58.346,23.532 58.638,23.532 58.98,23.19 v1(59.258,23.19) ; P18.10@75.692,40.85 v1(75.692,42.418) ; v1(78.463,22.024) 79.494,22.024 80.416,21.102 88.396,21.102 88.739,20.759 91.567,20.759 ; SB15.2@91.567,21.633 91.567,20.759 ; SB17.2@94.107,21.659 94.107,21.484 94.107,20.759 ; R108.1@97.276,18.821 97.276,18.836 97.216,18.896 97.131,18.896 96.911,19.116 96.911,19.685 ; Q13.5@97.561,21.114 97.536,21.089 97.536,20.881 97.331,20.676 97.092,20.676 96.911,20.495 96.911,19.685 ; Q13.2@97.561,21.964 97.536,21.989 97.536,22.197 97.223,22.51 R107.1@96.545,22.51 96.485,22.45 96.364,22.45 96.139,22.225 96.139,21.793 96.004,21.659 SB18.2@95.377,21.659 95.377,20.759 ; 91.567,20.759 94.107,20.759 ; 94.107,20.759 95.377,20.759 ; 95.377,20.759 95.377,20.447 96.139,19.685 96.911,19.685
  Mid-Layer 2 w0.15: v1(59.258,23.19) 62.43,23.19 63.113,23.873 73.333,23.873 74.555,22.651 77.373,22.651 77.999,22.024 v1(78.463,22.024)
  Bottom Layer w0.15: v1(75.692,42.418) 74.545,41.271 74.545,35.963 77.983,32.524 77.983,22.565 78.463,22.085 v1(78.463,22.024)
RESET_CONN: P1.3 P5.5 P7.3 P11.5 P13.6 SB16.2 SB17.1 U16.4 | length 98.8
  Top Layer w0.15: v1(62.662,32.004) 62.662,30.494 P5.5@62.675,30.481
  Top Layer w0.203: P1.3@33.02,9.086 33.02,9.653 35.052,11.685 v1(62.072,11.685) ; v1(88.369,22.735) 88.369,23.312 88.668,23.611 88.87,23.611 SB16.2@89.045,23.611 ; U16.4@92.768,23.513 92.9,23.382 93.009,23.382 v1(93.489,22.902) 93.958,22.432 SB17.1@94.107,22.283
  Top Layer w0.381: P13.6@33.02,3.811 P1.3@33.02,6.156 P1.3@33.02,9.086
  Mid-Layer 2 w0.203: v1(62.072,23.902) 62.129,23.959 62.575,23.959 62.815,24.2 73.463,24.2 74.711,22.952 89.066,22.952 89.323,23.21 93.181,23.21 v1(93.489,22.902)
  Bottom Layer w0.15: P11.5@62.072,30.481 62.227,30.481 62.662,30.916 v1(62.662,32.004) ; P11.5@62.679,30.481 P11.5@62.713,30.514
  Bottom Layer w0.203: v1(62.072,11.685) v1(62.072,23.902) P11.5@62.072,30.481
  Bottom Layer w0.381: P13.6@33.02,3.811 P7.3@33.02,6.156 P7.3@33.02,9.086
SCL_EXT: R64.1 U12.7 U13.12 | length 14.5
  Top Layer w0.15: U12.7@98.377,28.606 98.378,28.607 98.378,28.994 98.527,29.143 99.458,29.143 99.723,28.878 102.229,28.878 102.432,29.081 105.331,29.081 107.061,30.811 107.061,32.283 106.717,32.628 105.867,32.628 105.506,32.989 R64.1@105.506,33.045 105.131,33.045 104.765,32.68 U13.12@104.609,32.68
SCLK: TP3.1 U1.58 | length 10.1
  Top Layer w0.203: U1.58@130.21,22.764 131.11,22.764 132.939,20.936 135.91,20.936 136.609,20.237 136.609,18.796 TP3.1@137.5,17.905
SDA_EXT: R63.1 U12.3 U13.13 | length 15.1
  Top Layer w0.15: U12.3@99.402,27.581 99.786,27.581 100.787,28.583 102.351,28.583 102.555,28.786 105.453,28.786 107.356,30.689 107.356,32.801 106.717,33.44 105.898,33.44 105.506,33.832 R63.1@105.506,33.858 104.699,33.858 104.384,33.544 U13.13@104.384,33.305
SDATA: TP2.1 U1.59 | length 8.7
  Top Layer w0.203: U1.59@130.21,23.264 130.259,23.216 130.468,23.216 130.498,23.186 131.153,23.186 133.075,21.264 136.046,21.264 TP2.1@137.5,19.81
SIM_1V8: P30.2 SB41.1 U1.49 | length 40.4
  Top Layer w0.254: SB41.1@102.54,13.945 102.729,13.755 102.732,13.752 103.062,13.422 103.062,12.308 P30.2@103.57,11.8 ; P30.2@103.47,11.8 103.47,9.425 104.07,8.825 105.723,8.825 105.923,9.025 115.475,9.025 117.638,11.188 119.312,11.188 120.263,12.138 120.263,14.841 120.04,15.064 v1(120.04,15.113) ; U1.49@128.59,19.644 128.59,17.986 129.845,16.732 v1(129.845,16.535)
  Bottom Layer w0.254: v1(120.04,15.113) 128.422,15.113 v1(129.845,16.535)
SIM_CLK: P28.5 TP38.1 U1.46 U21.8 | length 73.8
  Top Layer w0.203: v1(80.899,16.256) 81.291,16.648 81.291,16.866 81.299,16.874 U21.8@81.325,16.874 ; P28.5@95.123,11.513 v1@95.123,13.018 ; v1(105.08,4.602) 105.927,4.602 107.743,6.418 109.585,6.418 111.193,4.81 114.949,4.81 118.72,8.581 125.756,8.581 127.522,10.347 127.522,16.728 127.09,17.16 U1.46@127.09,19.644
  Mid-Layer 2 w0.203: v1(80.899,16.256) 80.899,16.217 81.667,15.449 82.136,15.449 82.965,16.278 84.338,16.278 85.8,14.816 93.503,14.816 95.204,13.115 96.584,11.735 102.406,11.735 105.08,9.061 v1(105.08,4.602)
  Bottom Layer w0.203: v1(80.899,16.256) 80.899,16.217 82.383,14.733 TP38.1@83.82,14.733
  other v1: 95.221,13.132
SIM_IO: P28.4 TP39.1 U1.48 U21.12 | length 72.5
  Top Layer w0.203: v1(83.135,15.774) v1@83.15,15.789 ; v1@83.15,15.774 v1@83.15,15.789 ; U21.12@83.15,16.649 v1@83.15,15.789 ; v1(93.853,13.792) P28.4@93.853,15.413 ; v1(104.445,4.115) 105.904,4.115 107.879,6.09 109.449,6.09 111.057,4.482 115.085,4.482 118.856,8.252 125.902,8.252 127.85,10.2 127.85,16.75 128.09,16.99 U1.48@128.09,19.644
  Mid-Layer 2 w0.203: v1(83.135,15.774) 84.378,15.774 85.664,14.488 93.157,14.488 v1(93.853,13.792) 96.242,11.404 97.13,11.404 97.133,11.407 102.27,11.407 104.445,9.232 v1(104.445,4.115)
  Bottom Layer w0.203: v1(83.135,15.774) 83.187,15.723 85.623,15.723 86.04,16.14 TP39.1@86.96,16.14
SIM_RST: P28.6 TP37.1 U1.43 U21.4 | length 72.4
  Top Layer w0.203: v1@81.95,17.546 U21.4@81.95,18.299 ; P28.6@95.123,15.413 95.123,13.843 95.148,13.868 95.174,13.843 v1(95.225,13.843) ; v1(105.715,5.115) 105.976,5.115 107.607,6.746 109.721,6.746 111.329,5.138 114.813,5.138 118.584,8.909 125.62,8.909 127.175,10.464 127.175,16.587 125.59,18.172 U1.43@125.59,19.644
  Mid-Layer 2 w0.203: v1(82.042,17.374) 85.286,17.374 86.118,18.206 86.659,18.206 86.97,17.895 86.97,16.129 87.954,15.144 93.923,15.144 v1(95.225,13.843) 97.005,12.063 102.542,12.063 105.715,8.89 v1(105.715,5.115)
  Bottom Layer w0.203: v1(82.042,17.374) 82.042,18.136 82.591,18.684 82.591,19.194 TP37.1@82.839,19.442
SW1_EXT: D3.1 R59.1 R60.2 U11.2 | length 11.5
  Top Layer w0.15: U11.2@92.154,30.49 92.154,32.156 92.403,32.405 92.817,32.405 94.208,31.014 95.649,31.014 96.213,30.45 99.36,30.45 100.005,31.095 R60.2@100.005,31.862
SW2_EXT: D4.1 R61.1 R62.2 U11.10 | length 8.5
  Top Layer w0.15: U11.10@93.123,30.321 93.292,30.321 93.7,30.729 95.544,30.729 96.308,29.965 96.308,29.752 96.593,29.468 97.302,29.468 97.343,29.509 R61.1@97.358,29.509 98.116,29.509 98.299,29.693 D4.1@100.005,29.693 R62.2@100.005,30.389
SWD0_CLK: P19.4 R30.2 | length 77.7
  Top Layer w0.15: P19.4@1.936,57.761 v1(3.505,57.761)
  Top Layer w0.203: R30.2@51.292,20.849 v1(52.054,20.849)
  Mid-Layer 2 w0.203: v1(43.18,20.849) v1(52.054,20.849)
  Bottom Layer w0.203: v1(3.505,57.761) 6.268,57.761 15.006,49.023 34.767,49.023 35.314,48.476 35.314,42.407 43.18,34.541 v1(43.18,20.849)
SWD0_IO: P19.2 R34.2 | length 73.6
  Top Layer w0.15: P19.2@1.936,56.491 v1(3.505,56.491)
  Top Layer w0.203: R34.2@51.292,25.001 v1(52.308,25.001)
  Mid-Layer 2 w0.203: v1(42.562,25.001) v1(52.308,25.001)
  Bottom Layer w0.203: v1(3.505,56.491) 7.01,56.491 14.859,48.642 34.569,48.642 34.925,48.286 34.925,42.294 42.562,34.657 v1(42.562,25.001)
SWD0_RESET: P19.10 R26.2 | length 77.6
  Top Layer w0.15: P19.10@1.936,61.571 v1(3.505,61.571)
  Top Layer w0.203: v1(46.148,16.627) 46.148,16.337 46.493,15.992 R26.2@46.783,15.992
  Bottom Layer w0.203: v1(3.505,61.571) 15.29,49.785 36.346,49.785 37.592,48.539 37.592,40.641 44.323,33.91 44.323,18.452 v1(46.148,16.627)
SWD0_SEL: P19.1 Q2.4 R16.2 SB24.1 | length 7.9
  Top Layer w0.203: 7.986,56.491 7.986,57.024 8.433,57.471 Q2.4@9.727,57.471
  Top Layer w0.508: P19.1@5.836,56.491 7.986,56.491 9.9,54.577 9.9,54.08 SB24.1@9.9,53.947
SWD0_SWO: P19.6 U5.7 | length 64
  Top Layer w0.15: P19.6@1.936,59.031 v1(3.505,59.031)
  Top Layer w0.203: v1(35.814,48.998) 36.154,49.338 46.827,49.338 v1(47.498,48.666) ; v1(48.184,35.636) 48.706,35.636 U5.7@48.728,35.658
  Bottom Layer w0.203: v1(3.505,59.031) 5.498,59.031 15.124,49.404 35.408,49.404 v1(35.814,48.998) ; v1(47.498,48.666) 47.498,36.322 v1(48.184,35.636)
SWD1_CLK: P20.5 P26.5 R31.2 | length 48.5
  Top Layer w0.203: R31.2@51.292,21.45 v1(52.308,21.45)
  Top Layer w0.381: P20.5@28.956,43.689 P20.5@28.956,47.186
  Mid-Layer 2 w0.203: v1(41.529,21.45) v1(52.308,21.45)
  Bottom Layer w0.203: P26.5@28.956,44.256 28.956,43.308 30.251,42.013 34.194,42.013 41.529,34.678 v1(41.529,21.45)
  Bottom Layer w0.381: P26.5@28.956,44.256 v1(28.956,45.721) P26.5@28.956,47.186
SWD1_IO: P20.4 P26.4 R35.2 | length 44.9
  Top Layer w0.203: R35.2@51.292,26.603 v1(52.308,26.603) v1@52.331,26.603
  Top Layer w0.381: P20.4@26.416,44.349 P20.4@26.416,47.186
  Mid-Layer 2 w0.203: v1(40.996,27.203) 51.707,27.203 v1(52.308,26.603)
  Bottom Layer w0.203: P26.4@26.416,44.256 26.416,43.435 28.321,41.53 34.177,41.53 41.021,34.686 v1@41.021,27.203
  Bottom Layer w0.381: P26.4@26.416,44.256 v1(26.416,45.721) P26.4@26.416,47.186
SWD1_RESET: P20.7 P26.7 R27.2 | length 43.4
  Top Layer w0.203: v1(42.037,20.321) 46.938,20.321 48.797,18.462 50.927,18.462 51.283,18.818 R27.2@51.283,18.933
  Top Layer w0.381: P20.7@34.036,44.256 v1(34.036,45.721) P20.7@34.036,47.186
  Bottom Layer w0.203: P26.7@34.036,44.256 34.036,42.683 42.037,34.682 v1(42.037,20.321)
  Bottom Layer w0.381: P26.7@34.036,44.256 v1(34.036,45.721) P26.7@34.036,47.186
SWD1_SEL: P20.3 P26.3 Q1.4 R15.1 | length 28.9
  Top Layer w0.203: v1(9.296,58.191) 9.645,58.191 10.027,58.573 Q1.4@10.027,59.152 ; v1(10.465,55.398) 10.465,54.764 12.643,52.586 14.291,52.586 14.697,52.993 18.636,52.993 23.876,47.753 P20.3@23.876,47.186
  Top Layer w0.381: P20.3@23.876,44.256 v1(23.876,45.721) P20.3@23.876,47.186
  Bottom Layer w0.203: v1(9.296,58.191) 9.952,58.191 10.465,57.679 v1(10.465,55.398) v1@10.465,55.373
  Bottom Layer w0.381: P26.3@23.876,44.256 v1(23.876,45.721) P26.3@23.876,47.186
SWD1_SWO: P20.6 P26.6 U5.3 | length 29.3
  Top Layer w0.203: P20.6@31.496,44.256 31.496,43.613 33.299,41.809 v1(33.299,40.844) ; U5.3@48.728,38.308 48.731,38.311 48.731,40.527 v1(49.2,40.996)
  Top Layer w0.381: P20.6@31.496,44.256 v1(31.496,45.721) P20.6@31.496,47.186
  Mid-Layer 2 w0.203: v1(33.299,40.844) 48.968,40.844 49.119,40.996 v1(49.2,40.996)
  Bottom Layer w0.203: P26.6@31.496,43.816 P26.6@31.496,44.256
  Bottom Layer w0.381: P26.6@31.496,44.256 v1(31.496,45.721) P26.6@31.496,47.186
SWD2_CLK: R32.2 SB9.2 | length 3.1
  Top Layer w0.203: R32.2@51.292,22.052 53.5,22.052 SB9.2@54.102,21.45
SWD2_IO: R36.2 SB8.2 | length 3.1
  Top Layer w0.15: R36.2@51.292,27.204 53.575,27.204 SB8.2@54.176,26.603
SWD2_RESET: R28.2 SB10.2 | length 3.6
  Top Layer w0.203: R28.2@51.283,19.559 51.503,19.559 51.732,19.329 SB10.2@51.732,16.308
SWD2_SEL: R12.2 TP14.1 U4.85 | length 6
  Top Layer w0.203: U4.85@49.483,24.001 R12.2@50.722,24.001 50.722,23.687 51.06,23.349 v1(53.721,23.349)
  Bottom Layer w0.203: TP14.1@53.721,22.079 v1(53.721,23.349)
SWD3_CLK: R33.2 U15.3 | length 6.4
  Top Layer w0.203: R33.2@51.292,22.653 54.698,22.653 56.601,24.557 U15.3@56.921,24.557
SWD3_IO: R37.2 U15.15 | length 7.5
  Top Layer w0.203: R37.2@51.292,27.806 51.292,27.71 56.507,27.71 57.546,26.671 U15.15@57.546,25.982
SWD3_RESET: R29.2 U15.7 | length 8.5
  Top Layer w0.203: R29.2@51.283,20.194 55.372,20.194 57.946,22.768 U15.7@57.946,23.532
SWD3_SWO: U5.1 U15.11 | length 23.9
  Top Layer w0.203: U5.1@49.728,38.258 52.025,38.258 v1(52.324,38.557) ; U15.11@58.571,24.957 v1(59.333,24.957)
  Mid-Layer 2 w0.203: v1(53.467,24.957) 55.996,24.957 56.397,25.359 58.931,25.359 v1(59.333,24.957)
  Bottom Layer w0.203: v1(52.324,38.557) 52.324,37.72 52.153,37.549 52.153,27.755 53.467,26.441 v1(53.467,24.957)
SWDCLK: P18.4 U1.33 U15.4 | length 116.6
  Top Layer w0.15: v1(56.617,23.622) 56.816,23.821 56.816,24.157 U15.4@56.921,24.157 ; v1(76.505,42.469) 76.549,42.469 76.768,42.25 78.922,42.25 79.502,41.67 P18.4@79.502,40.85 ; v1(78.953,21.549) 78.968,21.564 79.565,21.564 80.302,20.827 88.282,20.827 90.644,18.465 98.808,18.465 99.924,17.349 99.924,10.36 100.869,9.414 100.869,6.544 101.674,5.739 103.1,5.739 106.058,8.698 115.61,8.698 117.773,10.86 119.448,10.86 120.815,12.228 120.815,19.012 120.59,19.237 U1.33@120.59,19.644
  Mid-Layer 2 w0.15: v1(56.617,23.622) 57.523,22.715 59.455,22.715 59.63,22.89 62.555,22.89 63.238,23.573 73.208,23.573 74.406,22.376 77.259,22.376 78.085,21.549 v1(78.953,21.549)
  Bottom Layer w0.15: v1(76.505,42.469) 76.379,42.469 74.82,40.909 74.82,36.077 78.258,32.638 78.258,22.961 78.953,22.266 v1(78.953,21.549)